# Altium PCB 400236.PcbDoc (part 2 of 4) (continued)
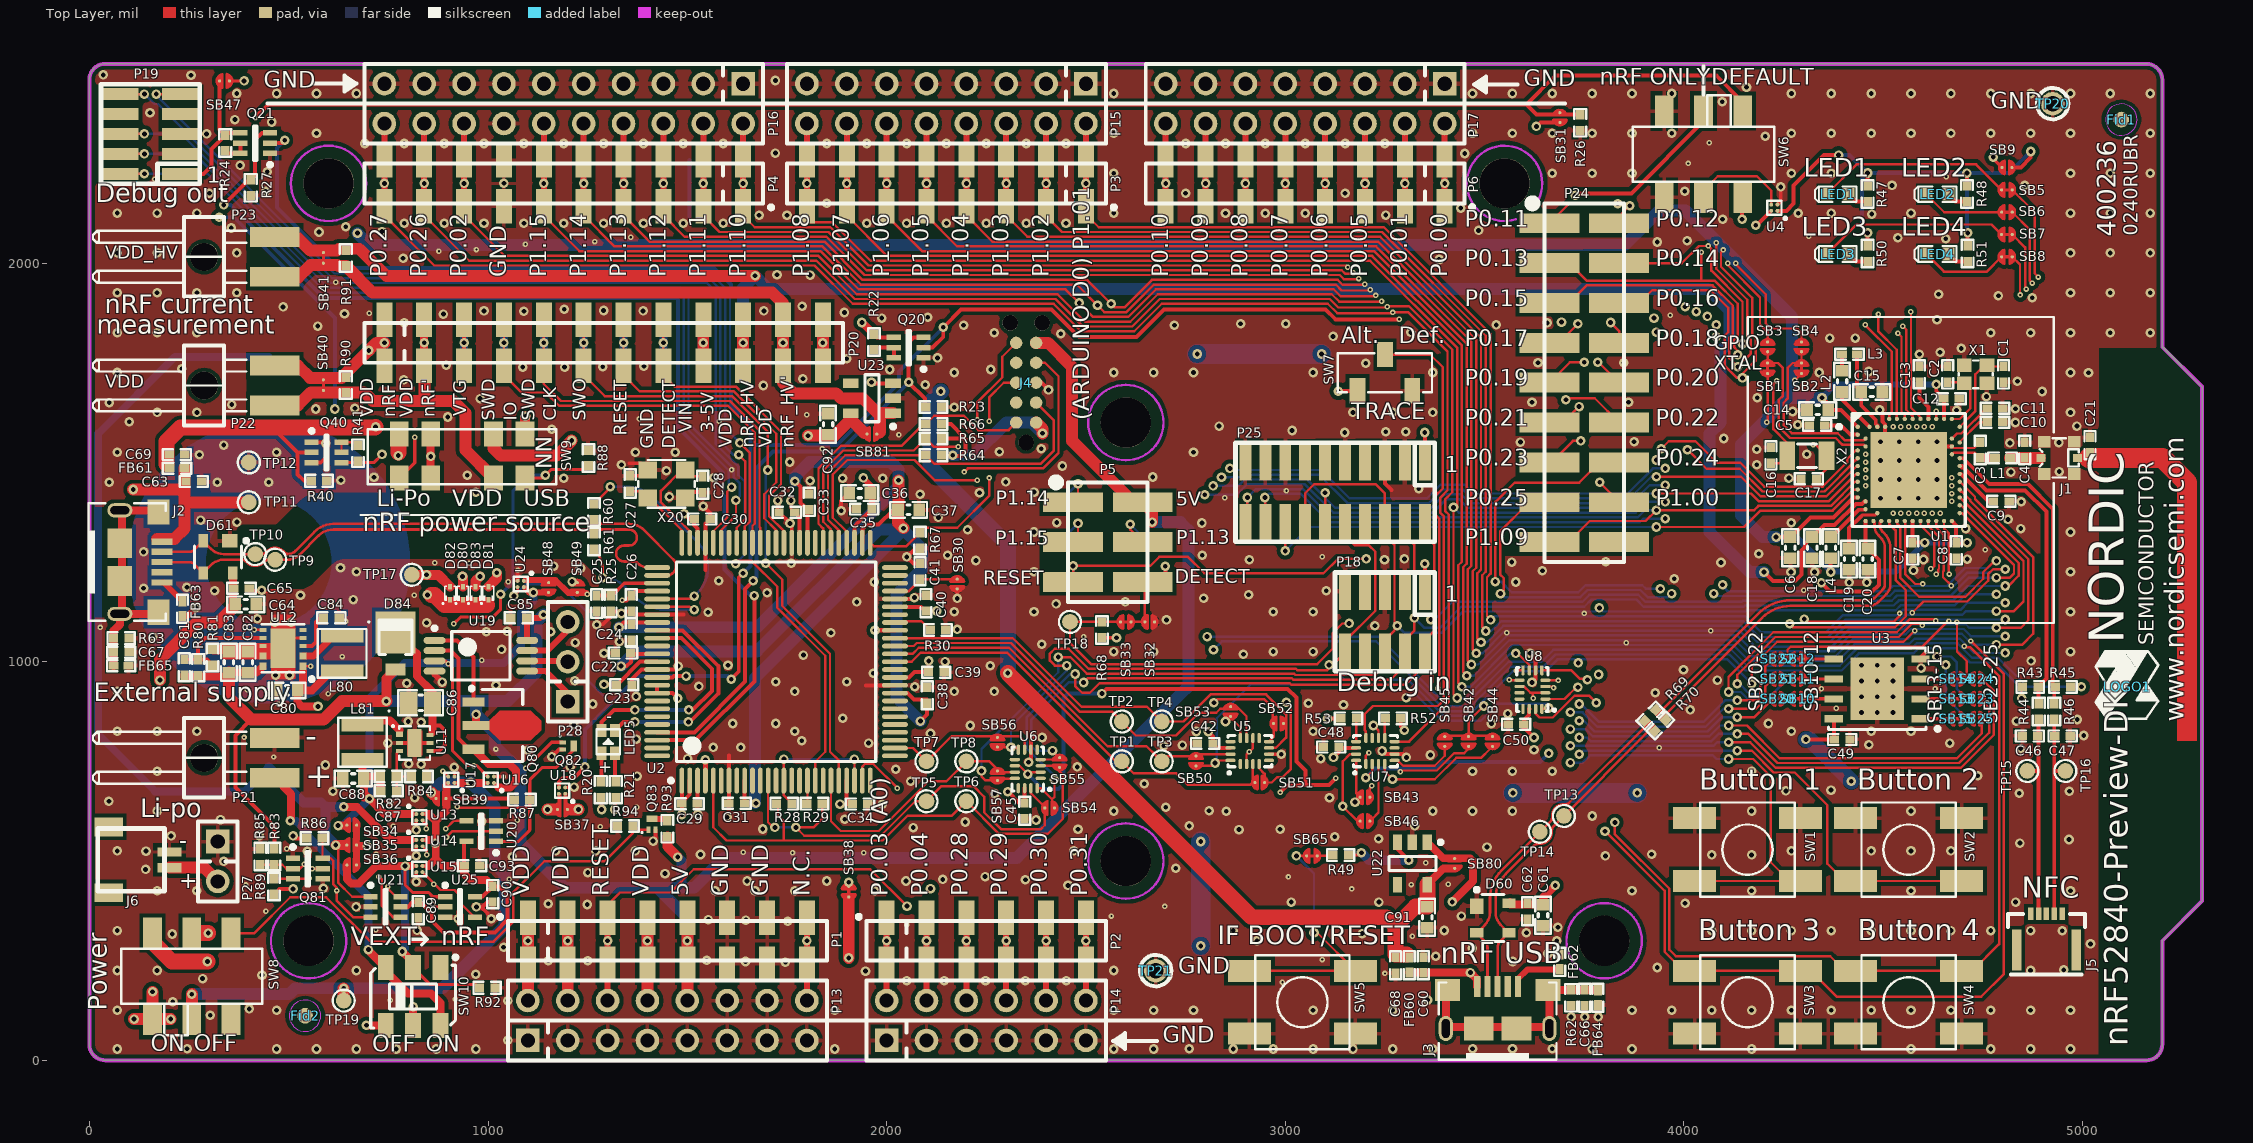
[diagram p0: Top Layer view]
## Nets (pads, with @x,y where several pads share a name; then routed paths per layer and width w, separated by ;. In a path a pad name is that pad's centre, name@x,y a point inside that pad or via, vN(x,y) a via of type N, cw(c..) or ccw(c..) an arc to the next point about the centre after c; other vN are vias at no path point) (continued)
EXT_VTG: P19.1 Q21.4 R24.1 SB47.2 | length 349.6
  Top Layer w10: P19.1@229.76,2224 285.99,2224 305.99,2244 305.99,2285.68 R24.1@341,2320.68 326.7,2334.98 326.7,2443.1 SB47.2@326.7,2457 ; R24.1@346.9,2326.59 Q21.4@378.6,2326.59
GND: Bat1.2 C1.2 C2.2 C3.1 C4.1 C5.2 C6.2 C7.2 C8.2 C9.2 C10.1 C11.2 C12.2 C13.2 C14.2 C15.1 C16.1 C17.1 C18.2 C19.2 C20.2 C21.2 C22.1 C23.1 C24.1 C25.1 C26.1 C27.2 C28.2 C29.1 C30.2 C31.1 C32.1 C33.1 C34.1 C35.1 C36.1 C37.1 C38.1 C39.1 C40.1 C41.1 C42.1 C45.1 C46.2 C47.1 C48.1 C49.1 C50.1 C60.1 C61.1 C62.1 C63.2 C64.1 C65.1 C66.1 C67.1 C68.1 C69.1 C80.1 C82.1 C83.1 C84.1 C85.1 C86.1 C88.1 C89.1 C90.1 C91.1 C92.1 C93.1 D60.1 D61.1 FB62.2 FB63.2 FB64.2 FB65.2 J1.2 J4.3 J6.1 P1.6 P1.7 P4.7 P7.6 P7.7 P10.7 P13.1 P13.3 P13.5 P13.7 P13.9 P13.11 P13.12 P13.13 P13.14 P13.15 P14.1 P14.3 P14.5 P14.7 P14.9 P14.11 P15.1 P15.3 P15.5 P15.7 P15.9 P15.11 P15.13 P15.15 P16.1 P16.3 P16.5 P16.7 P16.9 P16.11 P16.13 P16.14 P16.15 P16.17 P16.19 P17.1 P17.3 P17.5 P17.7 P17.9 P17.11 P17.13 P17.15 P18.3 P18.5 P18.9 P19.3 P19.5 P21.1 P25.3 P25.5 P25.9 P25.15 P25.17 P25.19 P27.1 Q20.1 Q21.1 Q40.1 Q81.1 Q81.4 Q82.2 Q83.2 R23.1 R25.1 R26.2 R27.1 R30.1 R40.2 R62.1 R63.1 R67.2 R81.1 R84.1 R85.2 R88.2 R92.2 R94.2 SB30.2 SB32.1 SW1.1 SW2.1 SW3.1 SW4.1 SW5.1 SW6.1 SW6.4 SW7.1 TP12.1 TP20.1 TP21.1 U1.74 U1.B7 U1.F23 U2.3 U2.7 U2.35 U2.46 U2.61 U2.72 U2.82 U2.89 U3.4 U3.9 U4.B1 U5.6 U6.6 U7.6 U8.6 U11.2 U11.5 U11.7 U12.4 U12.8 U12.9 U12.11 U13.B1 U14.B1 U15.B1 U16.B1 U17.B1 U18.B1 U19.4 U20.3 U21.2 U22.2 U23.2 U24.B1 U25.3 X1.2 X1.4 X20.2 X20.4 | length 2765.7
  Top Layer w5.71: U1.F23@4672.27,1540.05 4676.4,1535.92 4728.22,1535.92 C3.1@4743.2,1550.9
  Top Layer w8: U12.11@486,1023 U12.11@511.59,1048.59 ; U12.11@511.59,1059.59 U12.4@536,1059.59 ; Q40.1@557.6,1550.59 592.41,1550.59 v3@593,1550 ; v1(820.13,448.13) U15.B1@820.13,472.13 ; v1(820.13,513.13) U14.B1@820.13,537.13 ; v1(820.13,578.13) U13.B1@820.13,602.13 ; U17.B1@915.87,711.87 v1@915.87,735.87 ; U16.B1@1014.87,711.87 v2(1038.87,711.87) ; U18.B1@1193.65,684.5 1214.9,684.5 v1(1215.9,685.5) ; 1354,1498 1383.66,1498 X20.2@1400.6,1481.06 1386.22,1466.68 C27.2@1356.61,1466.68
  Top Layer w9: v1(1727,1404.32) 1727,1377.92 C32.1@1729.92,1375 ; v1(2177,1158.89) SB30.2@2177,1182.89 ; U5.6@2958.95,768 v1(2990,768)
  Top Layer w9.84: U11.2@777.61,796 U11.7@816,796 U11.5@854.39,796 ; U24.B1@1074.13,1202.87 v2(1074.13,1229.13) v2@1078,1233 ; v1(3243,776) 3250.87,768.13 U7.6@3274.23,768.13 3295.87,768.13 v1(3304,760) ; P25.5@3250,1501.77 3250,1447 3266,1431 ; U4.B1@4234.87,2147.05 4235.05,2147.05 4243,2155 v1(4243,2191) ; v1(4491.13,1631.67) 4498.4,1624.41 4498.74,1624.41 4498.74,1616.01 4498.45,1615.72 4498.45,1602.19 4504.94,1595.69 4504.94,1540.05 U1.74@4564,1481 4623.05,1540.05 U1.F23@4672.27,1540.05
  Top Layer w10: C65.1@401.29,1181 401.29,1177 471.11,1177 ; v1(971,385) 983,385 ; 999,369 983,385 ; C90.1@1012,397.31 998.29,397.31 985.98,385 983,385 ; v1(1160,762) 1178.14,780.14 Q82.2@1187.22,780.14 ; v1@1277.61,1094 1288.61,1094 1310.61,1116 1310.61,1126.31 C26.1@1359.61,1126.31 1367.81,1118.11 1489.89,1118.11 ; C23.1@1362.35,940.94 C23.1@1361.29,942 1361.29,957.06 1384.55,980.31 1468.31,980.31 v1(1477,989) ; v1(1414,550) 1419.86,555.86 Q83.2@1419.86,578.22 ; X20.4@1494.61,1426.31 C28.2@1538.61,1426.31 ; C29.1@1525.29,644 U2.3@1525.29,701.31 ; v1(1540,1390) 1557.29,1372.71 C30.2@1557.29,1358 1545.44,1346.15 1545.44,1230.44 ; C31.1@1604.31,645 1604.5,645.18 U2.7@1604.5,701.77 1604.5,764.5 ; C32.1@1729.92,1375 v1@1755.92,1349 ; U2.61@1761.98,1298.23 v1@1761.98,1340.76 ; v1(1886,1379) 1886,1402.97 C36.1@1906.03,1423 ; 1948.06,940.94 U2.35@2020.83,940.94 ; U2.46@2020.83,1157.48 2066.09,1157.48 v1(2069.61,1161) ; C41.1@2083.61,1246.68 2066.92,1246.68 v1(2050.61,1263) 2071.92,1284.31 R67.2@2083.61,1284.31 ; v1(2356,748) 2361.87,753.87 U6.6@2361.87,779.23 2361.87,807.87 2367,813 ; J4.3@2375,1700 2388,1700 v1(2406,1682) ; v1(3614,1021) 3627.87,1007.13 U8.6@3627.87,978.23 3627.87,954.87 v1@3621,948 ; U3.4@4594.05,1007 4594.05,1011.05 v2(4609,1026)
  Top Layer w15: FB63.2@233.57,1114.33 245.33,1114.33 v3(267,1136) ; U19.4@865.86,976.61 865.86,968.14 v1(885,949)
  Top Layer w25: R81.1@311,1030.68 C83.1@344.89,1030.68
  other v1: 69.75,28.47 469.75,28.47 569.75,28.47 669.75,28.47 769.75,28.47 869.75,28.47 969.75,28.47 1869.75,28.47 2569.75,28.47 2669.75,28.47 2869.75,28.47 2969.75,28.47 3069.75,28.47 3169.75,28.47 3269.75,28.47 3369.75,28.47 3769.75,28.47 3869.75,28.47 4169.75,28.47 4569.75,28.47 4769.75,28.47 4869.75,28.47 4969.75,28.47 245,29 2759,29 3470,29 3570,29 3670,29 1050,50 3717,109 3751,109 3785,109 303,113 69.75,125.47 469.75,125.47 1869.75,125.47 2569.75,125.47 2669.75,125.47 2769.75,125.47 3069.75,125.47 3269.75,125.47 3869.75,125.47 3969.75,125.47 4069.75,125.47 4169.75,125.47 4269.75,125.47 4369.75,125.47 4469.75,125.47 4569.75,125.47 4669.75,125.47 4769.75,125.47 4869.75,125.47 4969.75,125.47 401,129 209,147 1050,150 3356.75,151.47 2050,200 2144,200 2248,200 2348,200 2451,200 284,205 433,214 969,216 1947,224 69.75,225.47 169.75,225.47 669.75,225.47 2569.75,225.47 4869.75,225.47 4953,227 3933,233 1746,246 1646,248 3571,248 1151,250 1250,250 1549,251 3377.57,261.03 3659,268 3469,281 1039,284 5020,292 2929,300 3681,300 208,317 3193,318 3605,320 69.75,325.47 2869.75,325.47 3398.89,325.71 4069.75,325.47 4169.75,325.47 4269.75,325.47 4369.75,325.47 4469.75,325.47 4569.75,325.47 4669.75,325.47 4769.75,325.47 4869.75,325.47 4949,325 822,326 3684,334 1752,349 1647,352 1553,353 925,355 1008,355 3442,362 669,385 1249,391 1151,393 4003,394 3015,397 3235,397 4832,397 169.75,425.47 269.75,425.47 1569.75,425.47 1669.75,425.47 1769.75,425.47 1969.75,425.47 3869.75,425.47 4169.75,425.47 4569.75,425.47 4969.75,425.47 587,432 2455,439 1650,450 1850,450 2048.5,450 2348,453 2141,454 2247,461 1444,468.4 1250,471 141,479 2725,482 337,499 1061,511 3803,513 4069.75,515.47 4169.75,515.47 1533,516.4 3919,517 547,524.31 69.75,525.47 142,525 1169.75,525.47 1269.75,525.47 1369.75,525.47 2469.75,525.47 4269.75,525.47 4469.75,525.47 4569.75,525.47 4669.75,525.47 3506,535 4843,545 4966,554 3234.22,555.72 3124,561 205,563 426,564 2884,579 1689.02,580.4 2480,580 2987,580 2067,584 2759,588 3325,588 2197,598 984,600 2375,603 329,604 1895,605 1600,610 3770,613 1526.44,616.77 169.75,625.47 2569.75,625.47 2852,625 3369.75,625.47 3469.75,625.47 3569.75,625.47 4169.75,625.47 4569.75,625.47 2809,626 2700,635 1989,642 49,650 816,659 3111,659 2271,669 4841,670 611,675 4967,675 4256,676 4369,678 2646,694 2060,700 1374,713 4737,714 169.75,725.47 3469.75,725.47 3569.75,725.47 3669.75,725.47 4169.75,725.47 2023,730 915.17,735.17 2478,736 1206,737 592,741 832,743 801,744 1500.61,757 3089,757 3364,766 1100,778 3624,779 4845,782 1565,785 1634,785 2695,789 2742,791 4464,792 749,796 1954.61,796 4667,796 1787.09,801.77 1372,806 2390,810 5003,815 2110,820 69.75,825.47 169.75,825.47 269.75,825.47 1769.75,825.47 2777,825 3069.75,825.47 4269.75,825.47 4469.75,825.47 4569.75,825.47 2210,840 1215,842 1614,845 1722,845 3517,845 4212,845 832,848 800,850 4834,851 4987,855 1890,858 3558,870 4445.63,872.94 4485,872.94 4524.37,872.94 4016,879 3146,892 1263,894 3058,896 3303,910 4445.63,912.31 4485,912.31 4524.37,912.31 1371.61,913 3928,922 69.75,925.47 1769.75,925.47 2169.75,925.47 2269.75,925.47 2070.61,937 1529,938 1020,941 796,946 3619,948 1722,950 1900,950 4445.63,951.68 4485,951.68 4524.37,951.68 1218,952 4084,954 1966.61,971 3999,980 4595,984 2260,990 1602,991 4445.63,991.05 4485,991.05 4524.37,991.05 2146.68,1000.4 4871,1002 1791.09,1016.77 2895,1019 1291,1021 2569.75,1025.47 2669.75,1025.47 2969.75,1025.47 3069.75,1025.47 4969.75,1025.47 1034,1031 2389,1044 1219,1048 1329.61,1050 1860.09,1072.77 996,1075 1157,1075 1048,1076.02 2177,1081 3225,1090 1272.61,1093 846,1098 2702,1105 1334.61,1121 1552,1124 2169.75,1125.47 2369.75,1125.47 2969.75,1125.47 3069.75,1125.47 4969.75,1125.47 2425,1145 1925,1150 2599,1150 2795,1159 2908,1168 1700,1173 3103,1178 4414.7,1198.99 4458.7,1198.99 1969,1200 3578,1200 1579,1203 3976,1208 2369.75,1225.47 4268.72,1225.09 4327.78,1225.09 4969.75,1225.47 3645,1228 4576,1229 1232,1235 1165,1240 1760.61,1247 4093,1249 3568,1250 3804,1251 2224,1254 2910,1256 3249,1256 4600.99,1256.47 4710.61,1257.57 3299,1258 2153,1267 2792,1267 4188,1271 2369.75,1325.47 4969.75,1325.47 2203,1331 4706.73,1334.2 4845,1334 1757.61,1347 2791,1348 4269.39,1348.73 2427,1349 4813,1357 2130,1362 4846.48,1401.28 4493.13,1410.13 4540.38,1410.13 4587.62,1410.13 4634.87,1410.13 1455,1414 2084,1420 2233,1424 969.75,1425.47 2369.75,1425.47 3335,1434 50,1450 2299,1451 1808,1454 4493.13,1457.38 4540.38,1457.38 4587.62,1457.38 4634.87,1457.38 1190,1460 1889.61,1460 1990,1460 4263.39,1460.73 1567,1462 2667.68,1463.4 948,1468 4820.39,1475.73 4941.6,1477.06 1447.61,1479 2441,1491 1334.61,1494 4183,1494 1757,1501 4493.13,1504.62 4540.38,1504.62 4587.62,1504.62 4634.87,1504.62 4308.09,1520.37 69.75,1525.47 1369.75,1525.47 1469.75,1525.47 2769.75,1525.47 2283,1527 4183,1533 2388,1534 4817.94,1548.91 4940.61,1549.9 3590,1551 4493.13,1551.87 4540.38,1551.87 4587.62,1551.87 4634.87,1551.87 3875,1552 4100,1560 3149,1575 3252,1577 3302,1577 3017,1580 1160,1582.93 2834,1591 4986,1591 4285.39,1594.73 4831.72,1600.09 100,1602 899,1614 169.75,1625.47 269.75,1625.47 3169.75,1625.47 3269.75,1625.47 3369.75,1625.47 4969.75,1625.47 4272.66,1627.65 4684.08,1630.61 568,1634 4831.72,1634.54 666,1636 2169.64,1638.17 357,1645 50,1650 3619,1651 3861,1651 980,1660 4184,1662 4758.88,1665.05 4898.65,1677.85 1691,1693 2097,1695 4836.64,1703.44 789,1707 1790,1710 69.75,1725.47 2169.75,1725.47 2569.75,1725.47 2669.75,1725.47 2769.75,1725.47 3069.75,1725.47 3369.75,1725.47 4339.75,1725.47 4969.75,1725.47 5015,1725 4464,1728 2008,1733 2261,1733 232,1735 1087,1739 1192,1739 1288,1740 1391,1741 895,1744 3202,1749 3634,1750 3849,1750 1900,1760 2127.64,1762.17 4590.82,1771.35 4642.74,1776.28 4696,1786 4366,1812 4430,1812 3120,1816 2437,1823 69.75,1825.47 169.75,1825.47 269.75,1825.47 2269.75,1825.47 4769.75,1825.47 4869.75,1825.47 4969.75,1825.47 5069.75,1825.47 5169.75,1825.47 3315,1826 573,1842 2193,1844 2722,1844 3529,1845 2888,1848 3001,1848 790,1850 3657,1850 4635,1858 1988,1862 2103,1864.4 888,1872 640,1873 1894,1876 1090,1879 990,1880 1389,1880 1692,1880 1290,1881 1191,1884 486,1890 1788,1892 4874,1913 4789,1918 4639,1922 69.75,1925.47 169.75,1925.47 269.75,1925.47 369.75,1925.47 4969.75,1925.47 5069.75,1925.47 5169.75,1925.47 1808,1970 1725,1971 3386,2009 787,2012 69.75,2025.47 169.75,2025.47 369.75,2025.47 4969.75,2025.47 5069.75,2025.47 5169.75,2025.47 3933,2053 4008,2056 4657,2061 4536.83,2063.33 576,2078 734,2079 3485,2082 356,2088 643,2091 790,2100 890,2100 990,2100 1090,2100 1190,2100 1290,2100 1390,2100 1490,2100 1590,2100 1950,2100 2050,2100 2150,2100 2250,2100 2350,2100 2450,2100 4097,2110 1680,2120 1750,2120 3252,2120.4 4471,2123 69.75,2125.47 169.75,2125.47 269.75,2125.47 2569.75,2125.47 2850,2125 2950,2125 3050,2125 4287,2125 4369.75,2125.47 4569.75,2125.47 4969.75,2125.47 5069.75,2125.47 5169.75,2125.47 3440,2138 1850,2150 301,2175 2750,2175 3150,2175 442,2180 4002,2180 4522,2195 4855,2195 1040,2200.4 2569.75,2225.47 3669.75,2225.47 3769.75,2225.47 3869.75,2225.47 4269.75,2225.47 4369.75,2225.47 4969.75,2225.47 5069.75,2225.47 5169.75,2225.47 446,2229 378,2245 3450,2275 1721,2276 691,2300 790,2300 890,2300 990,2300 1090,2300 1190,2300 1290,2300 1390,2300 1490,2300 1590,2300 1850,2300 1950,2300 2050,2300 2150,2300 2250,2300 2350,2300 2450,2300 2750,2300 2850,2300 2950,2300 3050,2300 3150,2300 3250,2300 4204,2318 293.99,2324 569.75,2325.47 2569.75,2325.47 3469.75,2325.47 3569.75,2325.47 3669.75,2325.47 3769.75,2325.47 3869.75,2325.47 3969.75,2325.47 4269.75,2325.47 4369.75,2325.47 4469.75,2325.47 4569.75,2325.47 4669.75,2325.47 4769.75,2325.47 4869.75,2325.47 4969.75,2325.47 5169.75,2325.47 457,2354 365,2360 152,2377 4096,2405 369.75,2425.47 469.75,2425.47 569.75,2425.47 669.75,2425.47 2569.75,2425.47 3469.75,2425.47 3569.75,2425.47 3669.75,2425.47 3769.75,2425.47 3869.75,2425.47 3969.75,2425.47 4269.75,2425.47 4369.75,2425.47 4469.75,2425.47 4569.75,2425.47 4669.75,2425.47 4769.75,2425.47 4869.75,2425.47 4969.75,2425.47 5069.75,2425.47 5169.75,2425.47 4157,2441 1721,2458 254.99,2471 34.99,2472
  other v2: 755,151 918.3,153 2993,196 3250,218 3093,253 3319,311 718,328 2051,340 2564,362 443,374 2698,386 3167,430 392,440 3316,441 3409,442 1053,454 3008,460 3352,496 720,517 1764,521 1943,521 1640,522 495,531 983,550 1282,586 762,587 541,593 1073,602 1373,635 756,648 462,761 1020,781 3938,784 388,810 4382,883 474,893 599,920 396,930 4345,932 4630,932 984,1004 634,1013 3855,1048 2494,1063 3556,1073 4067,1078 27,1086 643,1101 3750,1121 815,1167 4301,1179 1050.4,1201 953,1247 866,1248 3093,1263 4756,1281 2848,1411 3003,1429 1611,1482 1838,1534 2031,1569 1580,1603 1379,1609 1800,1620 3966,1869 702,1874 618,1952 877,2030 971,2034 1094,2047 1268,2054 1358,2065 4313,2067 164,2210 4658,2217 4011,2250 4064,2302
  other v3: 467,966 502,966 159,1063 465,1099 506,1099 421.57,1108.03 662,1156 529.61,1167 314,1178 432.61,1179.5 136,1184.4 244.57,1187.03 669.75,1225.47 630,1236 136,1275.4 370,1350.4 279,1355.4 321,1450 450,1450 631,1455 714,1463 276,1519 469.75,1525.47 337,1543.4 593,1548
I\F\_\M\C\U\_\D\I\S\C\O\N\N\E\C\T\: Q20.2 Q21.2 SW6.2 U2.90 U5.2 U5.10 U6.2 U6.10 U7.2 U18.B2 U24.B2 | length 10151.2
  Top Layer w6: Q21.2@453.4,2301 474,2301 ; v1(1065,1165) 1074.13,1174.13 U24.B2@1074.13,1187.13 ; U6.10@2321.52,738.87 2333.09,738.87 2348.84,723.13 U6.2@2386.48,723.13 ; U5.2@2902.85,743.39 2902.85,766.85 v2(2909.73,773.73) 2918.6,782.6 U5.10@2918.6,808.35 ; v1(3202,709) 3218.13,725.13 U7.2@3218.13,743.52 ; SW6.2@4049,2356 SW6.2@4049,2381.27
  Top Layer w10: 474,2301 483,2301 v1(490,2308) ; U18.B2@1177.9,684.5 1177.9,698.9 1187.62,708.62 1215.62,708.62 v1(1243,736) ; U2.90@1424.38,960.63 1463.1,960.63 1466.47,964 v1(1497,964) ; v1(1610,956) 1629,975 1629,1211 v1(1640,1222) ; Q20.2@2092.73,1788 2115.46,1788 2142,1814.54 v1(2142,1839) 2187,1884 2413.17,1884 2482.17,1815 2627,1815 2696,1884 3100.94,1884 3126.61,1858.32 3285.67,1858.32 v2(3286.17,1858.83) ; v1(2540,920) 2552.08,932.08 3005.92,932.08 3028.08,909.92 3028.08,749.92 3051,727 3051,690.29 ; v2(2987,672) 3005,690 3036.53,690 3036.82,690.29 3051,690.29 ; v2(3127,708) 3109.29,690.29 3051,690.29 ; v1(3727,2170) 3732,2175 3868,2175 SW6.2@4049,2356
  Mid-Layer 1 w10: v2@2910.73,774.73 2948.27,774.73 2987,736 v2(2987,672) ; v2(3127,708) 3201,708 v1(3202,709) ; v2(3286.17,1858.83) 3301.35,1874 3671,1874 v1(3693,1852)
  Mid-Layer 2 w10: v1(3661,770) 3661,817 3594,884 3594,959 3639,1004 3639,1035.8 3681,1077.8 v1@3681,1852 ; v1(3693,1852) v1@3681,1852 ; v1(3727,2170) 3681,2124 v1@3681,1852
  Bottom Layer w6: v1(1065,1165) 1094.7,1194.7 1178.3,1194.7 1248,1125 1248,955.6 1308.6,895 ; 1607,1674 1607,1937.94
  Bottom Layer w10: v1(490,2308) 471,2289 471,2139 622,1988 1567,1988 1609,1946 1609,1937.94 ; v1(1243,736) 1243,829.4 1308.6,895 1377.6,964 v1(1497,964) 1602,964 v1(1610,956) ; 1609,1674 1609,1644 1658,1595 1658,1546 ; v1(1640,1222) 1658,1240 1658,1546 ; v1(2142,1839) 2030.5,1727.5 2030.5,1698.8 1875.7,1544 1660,1544 1658,1546 ; v1(2354,718) 2391,681 2430.53,681 2444,694.47 2444,909 2455,920 v1(2540,920) ; v1(3202,709) 3225,732 3379,732 3395.47,748.47 3639.47,748.47 v1(3661,770)
IMCU_BOOT: SB46.2 U2.24 U7.15 | length 1881.1
  Top Layer w6: U2.24@1939.14,701.77 1939.14,737.14 1946,744 1966,744 v2(2027,683) ; v1(3144,637) v1@3144.3,636.7 ; v1@3146.3,636.7 v1@3151,636.7 ; U7.15@3177.77,768.13 3162.43,768.13 3144.3,750 v1@3144.3,636.7 ; SB46.2@3187.7,600 3181,600 3180.83,600.17 v1@3144.3,636.7
  Mid-Layer 1 w6: v2(2027,683) 2027,514 v1(2110,431)
  Mid-Layer 2 w6: v1(2110,431) 2148,393 2538.52,393 2550.93,380.59 2703.11,380.59 2825.52,503 2988.3,503 3019.3,534 3138.03,534 3153,548.97 3153,628 v1(3144,637)
IMCU_CTS: SB51.2 TP1.1 U2.38 U5.3 | length 1078.1
  Top Layer w6: U2.38@2020.83,1000 2062.55,1000 2085.55,1023 2113,1023 2302,1023 TP1.1@2575,750 ; TP1.1@2590,750 2620,720 2727,720 2756,691 2911.6,691 2918.6,698 U5.3@2918.6,743.39
IMCU_RESET: J4.10 R66.1 U2.57 | length 763.3
  Top Layer w6: U2.57@1840.72,1298.23 1840.72,1334.42 1829,1346.13 1829,1484.91 1886.09,1542 2038.31,1542 R66.1@2095.31,1599 ; R66.1@2098.31,1596 2119.32,1617 2193.92,1617 2229.92,1581 2306,1581 J4.10@2325,1600
IMCU_RTS: SB50.2 TP3.1 U2.39 U5.15 | length 952.2
  Top Layer w6: U2.39@2020.83,1019.68 2065.26,1019.68 2080.63,1035.05 2088,1035.05 2243,1035.05 2243.05,1035 2306.97,1035 2553.97,788 2652,788 2676.7,763.3 2762.1,763.3 SB50.2@2776,763.3 ; 2784.44,768 U5.15@2862.5,768
IMCU_RXD: SB53.2 TP2.1 U2.40 U5.11 | length 1067.8
  Top Layer w6: U2.40@2020.83,1039.37 2067.98,1039.37 2075.66,1047.05 2311.89,1047.05 2483.94,875 2565,875 TP2.1@2590,850 2625,815 2726.27,815 2783.27,872 2827,872 2837.02,882.02 2854.02,882.02 SB53.2@2863,891 ; 2874.34,891 2875,891 2902.85,863.15 U5.11@2902.85,808.35
IMCU_TCKS: J4.4 R65.1 U2.56 | length 1158.5
  Top Layer w6: U2.56@1860.4,1298.23 1860.4,1331.7 1841,1351.1 1841,1479.94 1891.06,1530 2068.16,1530 2098.16,1560 2119.16,1539 v2@2181,1539 ; v2(2194.68,1476) 2203.68,1485 2391.97,1485 2431,1524.03 2431,1716 2397,1750 J4.4@2375,1750
  Mid-Layer 1 w6: v2@2181,1539 2181,1535 2194.68,1521.32 v2(2194.68,1476)
  other v2: 2180,1539
IMCU_TDIS: J4.8 R67.1 U2.51 | length 684.1
  Top Layer w6: U2.51@1958.83,1298.23 1967.05,1290 2049.92,1290 R67.1@2083.61,1323.68 2095.92,1336 2177,1336 2257,1416 v2(2257,1461) ; v2(2257,1603) 2257,1663.03 2293.97,1700 J4.8@2325,1700
  Mid-Layer 1 w6: v2(2257,1461) v2(2257,1603)
IMCU_TDOS: J4.6 U2.54 | length 969.8
  Top Layer w6: U2.54@1899.77,1298.23 1899.77,1326.27 1865,1361.04 1865,1470 1901,1506 2070,1506 2121,1455 v2(2227,1455) ; v2@2227,1605 2227,1650 2290,1713 2290,1765 J4.6@2325,1800
  Mid-Layer 1 w6: v2(2227,1455) v2@2227,1605
  other v2: 2227,1607
IMCU_TMSS: J4.2 R64.1 U2.55 | length 933
  Top Layer w6: U2.55@1880.09,1298.23 1880.09,1328.99 1853,1356.07 1853,1474.97 1896.03,1518 2098.16,1518 2119.16,1497 2387,1497 2419,1529 2419,1606 J4.2@2375,1650
IMCU_TXD: SB52.2 TP4.1 U2.41 U5.7 | length 1224.4
  Top Layer w6: U2.41@2020.83,1059.05 2316.86,1059.05 2488.91,887 2653,887 TP4.1@2690,850 2744.3,850 2812.38,918.08 2951.92,918.08 3002,868 3002,847.43 3002,847 ; U5.7@2958.95,783.75 2976.05,783.75 3002,809.7 3002,842.57
N\R\F\_\O\N\L\Y\: SW6.5 U4.B2 | length 252.3
  Top Layer w6: SW6.5@4049,2164.73 4049,2182 4085,2218 4183,2218 4219.13,2181.87 U4.B2@4219.13,2146.87
NetC3_2: C3.2 L1.1 U1.H23 | length 113.7
  Top Layer w5.71: U1.H23@4672.27,1520.37 4676.4,1524.5 4730.15,1524.5 4743.32,1511.34 C3.2@4743.51,1511.14
  Top Layer w20: C3.2@4743.32,1511.34 L1.1@4778.51,1511.34
NetC9_1: C9.1 U1.N24 | length 113.2
  Top Layer w9.84: U1.N24@4691.95,1471.16 4695.37,1471.16 4764.27,1402.26 C9.1@4776.6,1402.26
NetC13_1: C13.1 U1.A18 | length 101.9
  Top Layer w9.84: C13.1@4590.57,1701.47 4590.57,1661.43 4613.21,1638.79 U1.A18@4613.21,1608.95
NetC16_2: C16.2 SB2.1 X2.1 | length 322.7
  Top Layer w6: C16.2@4218.39,1498.05 4239.49,1498.05 4259.18,1517.73 4259.18,1548.82 4224.39,1583.61 4224.39,1696.39 4233.39,1705.39 v2@4234.39,1704.39 ; v2(4278,1705.7) SB2.1@4295,1722.7
  Mid-Layer 1 w6: v2@4236.7,1708.7 4275,1708.7 v2(4278,1705.7)
  other v2: 4232.39,1705.39
NetC17_2: C17.2 SB1.1 X2.2 | length 377.3
  Top Layer w6: v2@4206.5,1602.5 v2(4208,1601) ; v2@4209,1601 4208,1602 4210,1604 SB1.1@4210,1722.7 ; v2(4324,1544) 4331.33,1544 4357.6,1517.73 4357.6,1483.26 C17.2@4333.07,1458.73
  Mid-Layer 1 w6: v2@4209,1601 4266,1544 v2(4324,1544)
NetC19_1: C19.1 U1.AC5 | length 140.4
  Top Layer w7.24: C19.1@4414,1284 C19.1@4414,1284.15 ; 4441.9,1362.5 4447.4,1368 4449.45,1368 4449.62,1367.83 4468.94,1367.83 4469.19,1368.08 4480.61,1368.08 U1.AC5@4485.26,1372.73
  Top Layer w10: C19.1@4414.39,1284.15 4414.39,1334.98 4443.87,1364.46
NetC25_2: C25.2 R25.2 U2.78 | length 161.7
  Top Layer w10: C25.2@1275.61,1165.68 1310.61,1165.68 1341.77,1196.85 U2.78@1424.38,1196.85
NetC41_2: C41.2 SB30.1 U2.47 | length 170
  Top Layer w6: U2.47@2020.83,1177.16 2055.68,1177.16 2083.61,1205.09 C41.2@2083.61,1207.31 2162.97,1207.31 2176.83,1207.31 SB30.1@2177,1207.49
NetC60_2: C60.2 C61.2 C62.2 D60.4 FB60.1 J3.1 | length 654.2
  Top Layer w20: FB60.1@3311.27,220.05 v1(3464.55,220.05) 3481.47,203.14 J3.1@3481.47,185.35 ; D60.4@3564.09,397.46 D60.4@3561.12,394.48 3564.99,390.61 C61.2@3646.57,390.61 3646.57,408.57 v1(3677,439)
  Mid-Layer 2 w20: v1(3464.55,220.05) 3464.55,226.55 v1(3677,439)
NetC63_1: C63.1 C64.2 C65.2 D61.4 FB61.1 J2.1 TP11.1 | length 1428.9
  Top Layer w20: C64.2@360.01,1138.01 D61.4@360.01,1222.65
  Top Layer w30: v1(110,1432) 227.6,1432 238.6,1421 ; J2.1@170,1308.4 213,1308.4 238.6,1334 238.6,1400 ; v1(177,954) 177,1005.42 270.06,1098.48 323.52,1098.48 C64.2@366.03,1141 ; FB61.1@238.6,1485.6 238.6,1421 ; TP11.1@400,1400 238.6,1400 ; 238.6,1400 238.6,1421
  Mid-Layer 2 w30: v1(110,1432) 197,1345 197,974 v1(177,954)
NetC66_2: C66.2 FB64.1 J3.6@3402.73,80.04 J3.6@3406.66,176.49 J3.6@3485.4,80.04 J3.6@3579.89,80.04 J3.6@3658.63,176.49 J3.6@3662.57,80.04 R62.2 | length 569.5
  Top Layer w20: J3.6@3402.65,176.35 3402.65,83.83 3662.49,83.83 J3.6@3662.49,176.35 ; J3.6@3658.63,176.79 C66.2@3751.25,176.79 FB64.1@3783.27,176.79
NetC67_2: C67.2 FB65.1 J2.6@76.53,1120.08 J2.6@76.53,1202.76 J2.6@76.53,1297.24 J2.6@76.53,1379.92 J2.6@172.98,1124.02 J2.6@172.98,1375.98 R63.2 | length 593.7
  Top Layer w20: FB65.1@60.87,989.73 60.87,1077.87 76.53,1093.53 J2.6@76.53,1120.08 ; J2.6@82.16,1119.45 J2.6@81.53,1120.08 ; J2.6@177.98,1124.02 174.05,1120.08 J2.6@81.53,1120.08 ; J2.6@177.98,1375.98 174.05,1379.92 81.53,1379.92 J2.6@81.53,1120.08
NetC81_1: C81.1 R80.1 R81.2 U12.7 | length 284.6
  Top Layer w10: C81.1@238,1005.68 R80.1@273,1005.68 ; R80.1@273,1004.68 R80.1@273,1005.68 ; R81.2@309,991.31 294.63,1005.68 R80.1@273,1005.68 ; U12.7@436,1059.59 290.59,1059.59 273,1042 R80.1@273,1005.68
NetC84_2: C84.2 U12.3 | length 109.6
  Top Layer w10: U12.3@536,1039.91 558.07,1039.91 568,1049.83 568,1099.83 578.17,1110 C84.2@587.31,1110
NetC86_2: C86.2 D84.3 U11.4 U11.6 | length 405.9
  Top Layer w9.84: 860.46,834 860.53,833.94 861.08,833.38
  Top Layer w10: U11.4@854.39,776.32 877.32,776.32 892,791 892,828 880,840 860.53,840
  Top Layer w20: D84.3@768,1073.56 821.34,1020.22 821.34,963.66 860.53,924.47 C86.2@860.53,897 ; 860.53,823.06 860.53,833.94 860.53,840 C86.2@860.53,896.05
NetC87_1: C87.1 R82.1 R84.2 U11.3 | length 140.8
  Top Layer w6: R82.1@769.69,712 R82.1@770.69,712 ; C87.1@770.69,676 R82.1@770.69,712 ; U11.3@777.61,776.32 770.69,769.39 R82.1@770.69,712 ; R84.2@807.31,712 R82.1@770.69,712
NetC92_2: C92.2 SB81.2 SW9.7 U23.5 | length 1056.2
  Top Layer w30: SW9.7@1013.74,1571.12 1013.74,1535.26 1032,1517 1172,1517 v1(1210,1555) ; v1(1803,1567) 1869,1567 1909.85,1607.85 ; U23.5@1909.85,1619 1909.85,1607.85 ; 1944.35,1573.35 1909.85,1607.85
  Mid-Layer 2 w40: v1(1210,1555) 1245,1590 1780,1590 v1(1803,1567)
NetFB62_1: FB62.1 J3.5 | length 133.6
  Top Layer w15: J3.5@3583.83,185.35 3583.83,204.29 3607.87,228.33 FB62.1@3688.57,228.33
NetFB63_1: FB63.1 J2.5 | length 71.2
  Top Layer w15: J2.5@181.84,1198.82 186.49,1198.82 FB63.1@233.57,1151.73
NetL2_1: L2.1 L3.2 | length 41.3
  Top Layer w9.84: L2.1@4396.68,1730.02 L3.2@4396.68,1771.35
NetL2_2: L2.2 U1.B3 | length 116.1
  Top Layer w9.84: L2.2@4396.68,1676.87 4396.68,1658.16 U1.B3@4465.57,1589.27
NetL4_2: L4.2 U1.AB2 | length 120.2
  Top Layer w8: 4437.75,1380.45 4438.67,1381.37 4454.53,1381.37 U1.AB2@4455.73,1382.57
  Top Layer w9.84: L4.2@4368.13,1312.69 L4.2@4370,1312.69 ; L4.2@4373.69,1312.69 L4.2@4370,1312.69 ; 4437.75,1380.45 L4.2@4370,1312.69
NetL80_1: L80.1 U12.2 | length 118.7
  Top Layer w18: U12.2@536,1014.31 562.31,1014.31 612.31,1064.31 L80.1@634,1064.31
NetL81_1: L81.1 U11.1 | length 102.4
  Top Layer w20: L81.1@685,852.31 753.96,852.31 777.61,828.65
NetLED1_1: LED1.1 SB5.2 | length 496.3
  Top Layer w6: LED1.1@4358.33,2172.73 4433.34,2247.73 4733.04,2247.73 SB5.2@4797.03,2183.73
NetLED1_2: LED1.2 R47.1 | length 55.2
  Top Layer w10: LED1.2@4413.33,2172.73 4432.02,2154.04 R47.1@4460.84,2154.04
NetLED2_1: LED2.1 SB6.2 | length 207.6
  Top Layer w6: LED2.1@4608.08,2172.73 4653.08,2127.73 SB6.2@4797.03,2127.73
NetLED2_2: LED2.2 R48.1 | length 54
  Top Layer w10: LED2.2@4663.08,2172.73 4681.77,2154.05 R48.1@4709.33,2154.05
NetLED3_1: LED3.1 SB7.2 | length 480.9
  Top Layer w6: LED3.1@4357.58,2021.73 4432.59,2096.73 4772.03,2096.73 SB7.2@4797.03,2071.73
NetLED3_2: LED3.2 R50.1 | length 55
  Top Layer w10: LED3.2@4413.08,2022.73 4431.77,2004.05 R50.1@4460.33,2004.05
NetLED4_1: LED4.1 SB8.2 | length 222.2
  Top Layer w6: LED4.1@4608.33,2022.73 4652.33,1978.73 4760.03,1978.73 SB8.2@4797.03,2015.73
NetLED4_2: LED4.2 R51.1 | length 55.7
  Top Layer w10: LED4.2@4663.33,2022.73 4682.02,2004.05 R51.1@4711.33,2004.05
NetLED5_1: LED5.1 R20.1 | length 71.8
  Top Layer w10: R20.1@1284.87,698.68 LED5.1@1284.87,770.46
NetLED5_2: LED5.2 R21.1 | length 71.8
  Top Layer w10: R21.1@1318.34,698.68 LED5.2@1318.34,770.46
NetP5_6: P5.6 P11.6 SB32.2 SB33.1 | length 204.5
  Top Layer w6: SB33.1@2613.3,1100 2640.83,1100 ; P5.6@2642.5,1200 2647.7,1194.8 2647.7,1113.9 SB32.2@2647.7,1100
  Top Layer w10: P5.6@2699,1202 v1(2699,1239.4)
  Bottom Layer w10: P11.6@2699,1202 v1(2699,1239.4)
NetP20_12: P20.12 P26.12 | length 230.7
  Top Layer w30: P20.12@1840,1742.32 P20.12@1840,1857.68
  Bottom Layer w30: P26.12@1840,1742.32 v1(1840,1800) P26.12@1840,1857.68
NetP21_2: P21.2 SW10.3 SW10.4 | length 832.9
  Top Layer w20: P21.2@464.99,709 506,667.99 506,603 v1(504,601) ; v1(700,278) 700,275.94 SW10.3@743.1,232.83 743.1,223.9 799,168 857,168 880.9,144.1 SW10.4@880.9,87.17
  Bottom Layer w20: v1(504,601) 503,600 519,600 548,571 548,563.17 700,411.17 v1@700,285
NetP28_1: P28.1 U19.5 | length 145.9
  Top Layer w15: U19.5@1098.14,976.61 1144.39,976.61 1200,921 P28.1@1200,900
NetP28_2: P28.2 U19.6 | length 102.8
  Top Layer w15: U19.6@1098.14,1002.2 1197.8,1002.2 P28.2@1200,1000